# Altium PCB OSA_V100.PcbDoc (part 4 of 5) (continued)
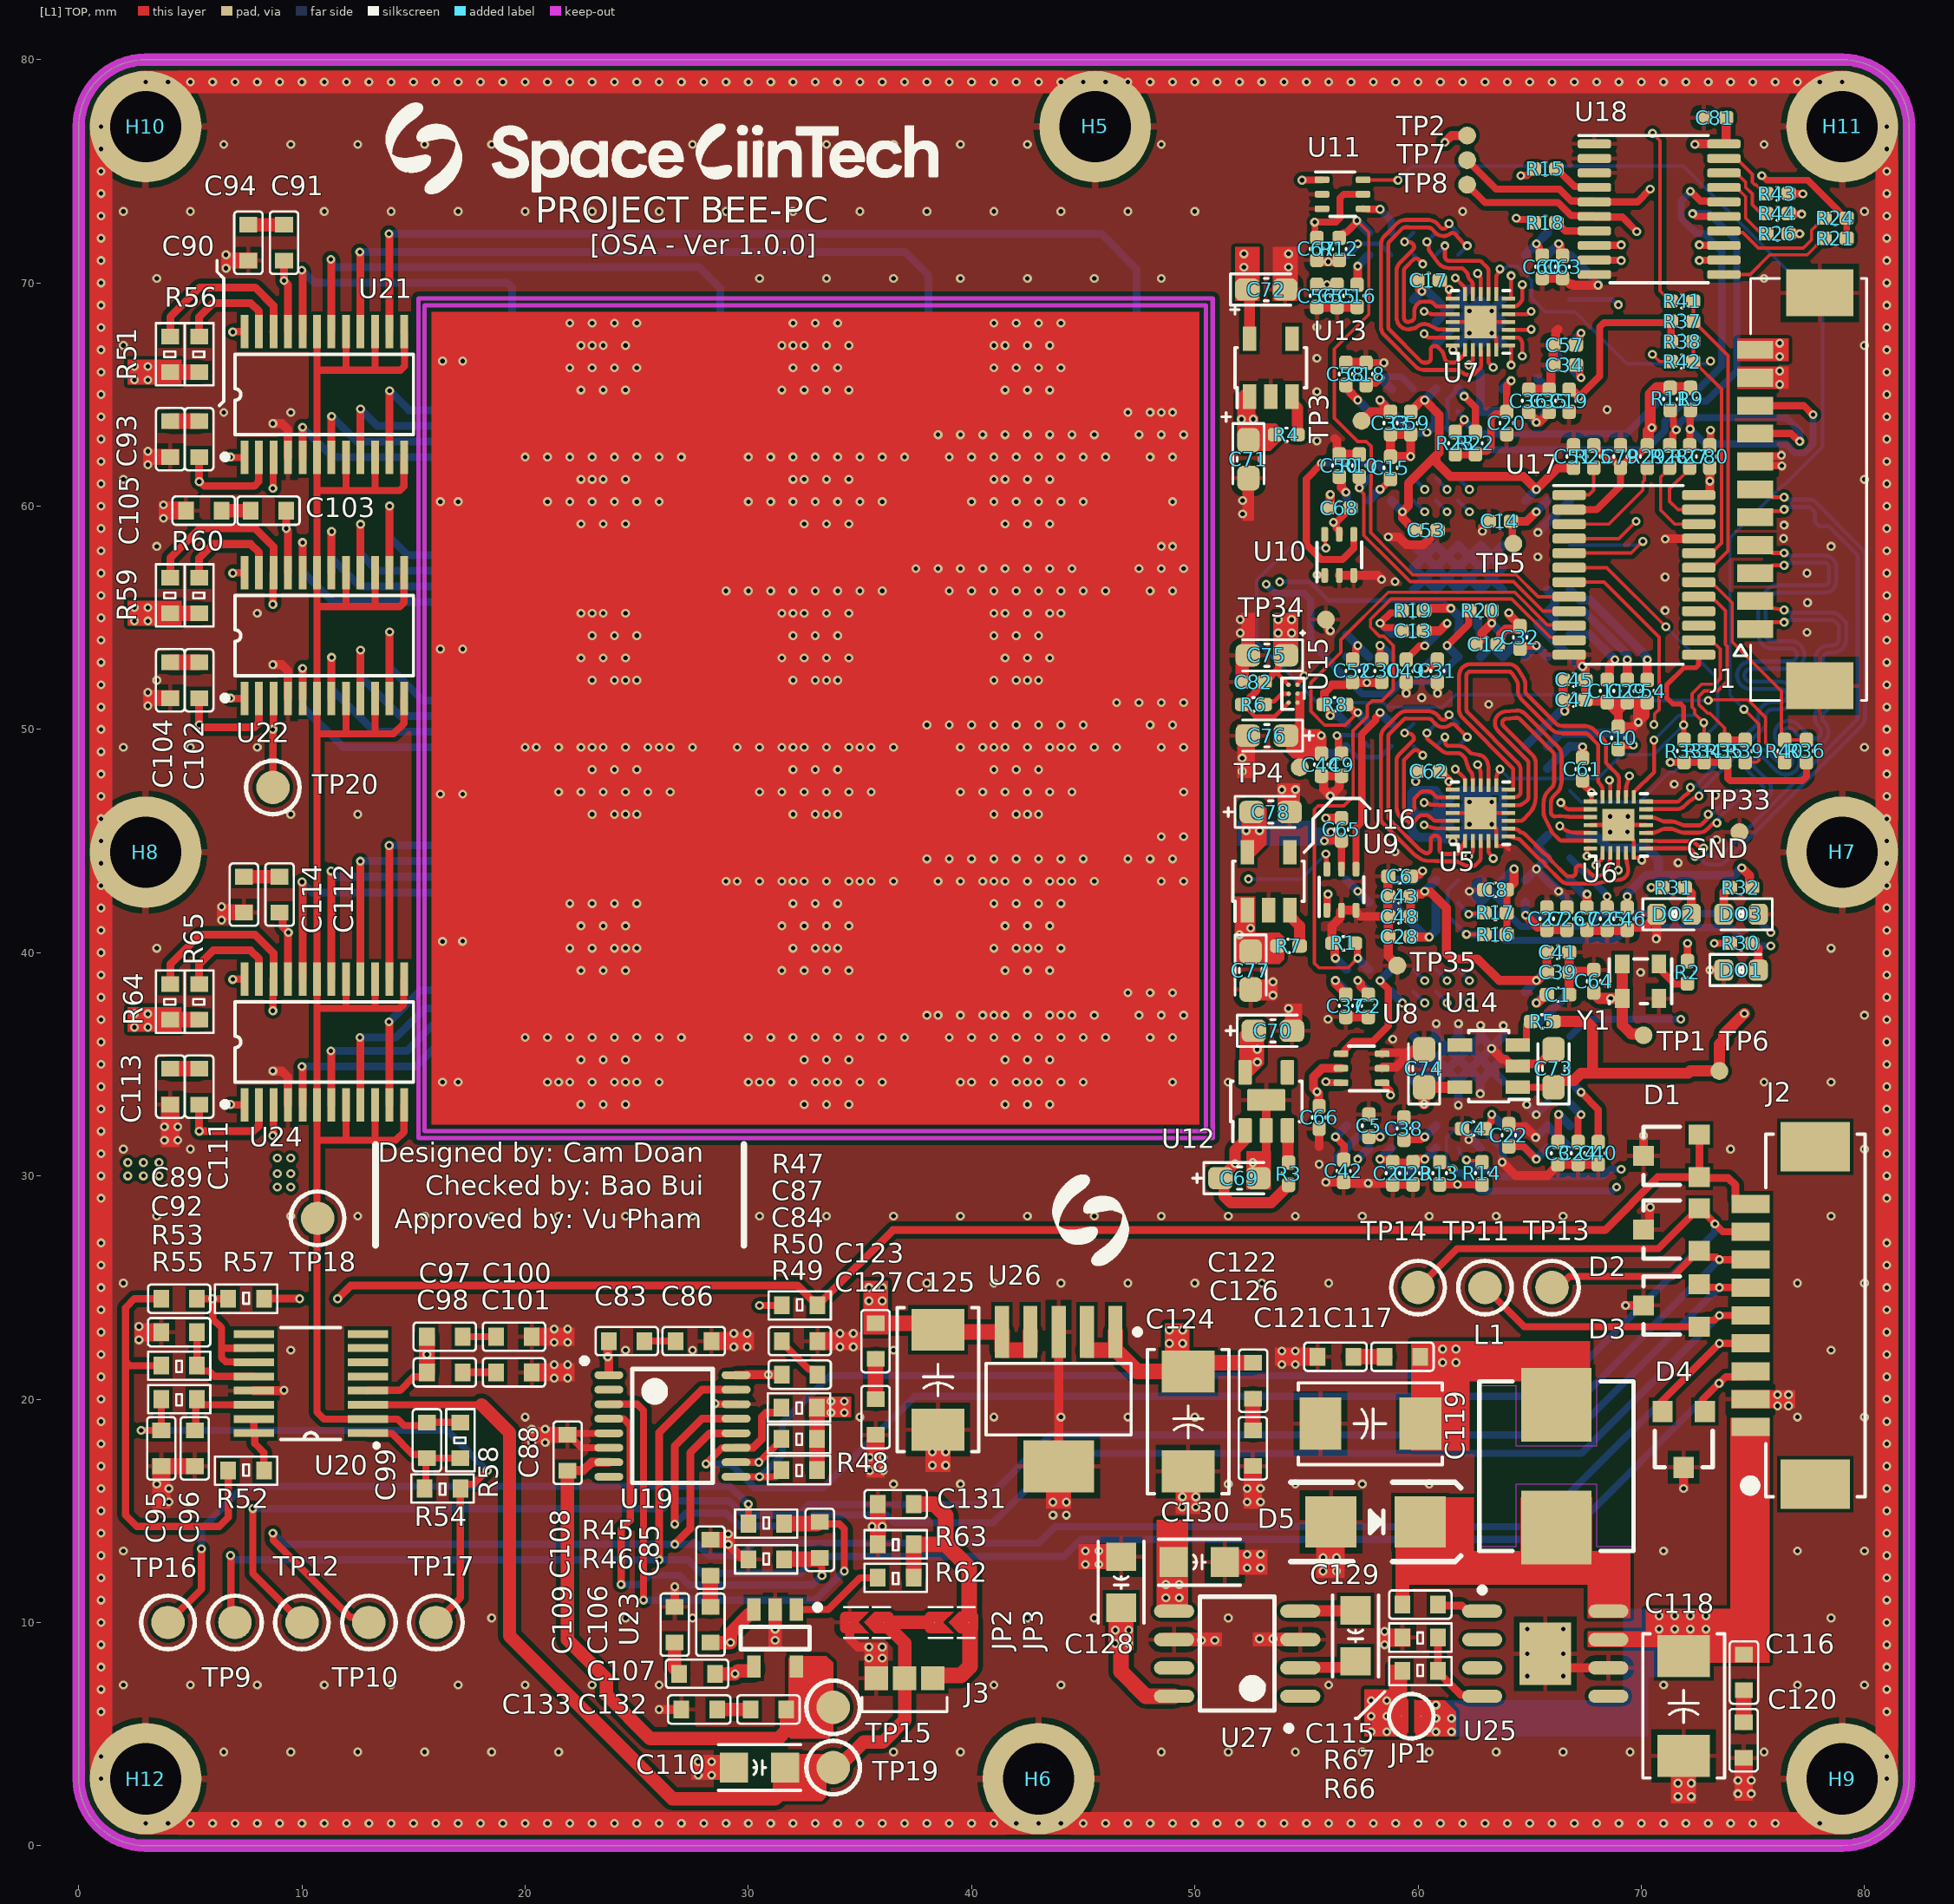
[diagram p0: [L1] TOP view]
## Nets (pads, with @x,y where several pads share a name; then routed paths per layer and width w, separated by ;. In a path a pad name is that pad's centre, name@x,y a point inside that pad or via, vN(x,y) a via of type N, cw(c..) or ccw(c..) an arc to the next point about the centre after c; other vN are vias at no path point) (continued)
SEN2_3_D1_P: U6.16 U7.11 | length 36.1
  [L1] TOP w0.18: U7.11@64.05,68.95 cw(c64.07,68.771) 64.07,68.951 64.327,68.951 ccw(c64.327,69.131) 64.404,68.969 64.458,68.995 ccw(c64.355,69.211) 64.549,69.07 64.635,69.188 ccw(c64.49,69.295) 64.67,69.295 v1(64.67,69.92) ; v1(68.57,47.72) 68.57,47.66 68.62,47.61 U6.16@68.62,46.97
  [L3] SIGNAL w0.16: v1(64.67,69.92) ccw(c64.556,70.032) 64.716,70.032 64.716,70.521 cw(c64.876,70.521) 64.763,70.634 64.802,70.673 cw(c64.915,70.56) 64.915,70.72 65.11,70.72 cw(c65.11,70.56) 65.27,70.56 65.27,70.086 ccw(c65.43,70.086) 65.317,69.973 65.433,69.857 ccw(c65.546,69.971) 65.659,69.857 65.969,70.166 cw(c66.082,70.053) 66.194,70.167 ; 66.195,70.166 68.97,67.391 cw(c68.857,67.278) 69.017,67.278 69.017,61.448 cw(c68.857,61.448) 69.016,61.425 68.991,61.252 cw(c68.833,61.274) 68.947,61.162 67.865,60.08 ccw(c68.232,59.711) 67.712,59.711 67.712,59.088 ccw(c68.232,59.088) 67.723,58.981 67.797,58.629 cw(c67.64,58.596) 67.8,58.596 67.8,58.125 67.8,57.865 ccw(c68.44,57.865) 68.44,57.225 69.644,57.225 cw(c69.644,56.945) 69.644,56.665 68.372,56.665 ccw(c68.372,56.025) 68.372,55.385 69.253,55.385 cw(c69.253,55.105) 69.253,54.825 68.44,54.825 ccw(c68.44,54.185) 67.8,54.185 67.8,52.226 ccw(c68.16,52.226) 67.818,52.114 cw(c67.666,52.063) 67.826,52.063 67.826,49.979 ccw(c68.346,49.979) 67.977,49.613 68.083,49.507 ; 68.084,49.506 68.338,49.252 68.477,49.113 68.477,48.922 68.733,48.665 68.781,48.086 ccw(c69.3,48.129) 68.791,48.019 ccw(c69.143,48.095) 68.792,48.017 cw(c68.636,47.982) 68.738,47.859 v1(68.57,47.72)
SEN2_CK_N: U3.B6 U7.2 | length 22.4
  [L1] TOP w0.18: v1(62.27,66.32) 62.398,66.448 ccw(c62.27,66.575) 62.45,66.575 U7.2@62.45,67 ; v1(62.302,59.748) v1@62.302,59.75
  [L3] SIGNAL w0.16: v1@62.261,59.694 ccw(c62.406,59.626) 62.246,59.626 62.246,59.138 cw(c61.886,59.138) 62.246,59.132 cw(c61.726,59.138) 61.726,58.618 59.83,58.618 ccw(c59.83,58.458) 59.67,58.458 59.67,57.422 ccw(c59.83,57.422) 59.716,57.31 60.1,56.926 ccw(c60.212,57.04) 60.212,56.88 62.994,56.88 ccw(c62.994,57.04) 63.107,56.927 63.423,57.243 ccw(c63.31,57.356) 63.47,57.356 63.47,63.7 63.47,63.78 ccw(c63.19,63.78) 63.19,64.06 62.767,64.06 cw(c62.767,64.34) 62.767,64.62 63.19,64.62 ccw(c63.19,64.9) 63.47,64.9 63.47,65.12 ; v1@62.261,59.695 cw(c62.406,59.627) v1(62.302,59.748) ; v1(62.27,66.32) 62.511,66.32 cw(c62.511,65.955) 62.54,66.319 cw(c62.527,66.159) 62.685,66.183 62.725,65.91 ccw(c62.883,65.933) 62.77,65.82 ; 62.77,65.82 63.47,65.12 ; 62.824,65.771 62.865,65.729 62.865,65.725 63.47,65.12
  [L6] BOTTOM w0.18: U3.B6@61.8,60.25 v1(62.302,59.748)
SEN2_CK_P: U3.A6 U7.4 | length 21.9
  [L1] TOP w0.18: v1(62.302,60.748) v1(62.302,60.748) ; U7.4@63.15,67 63.15,66.515 ccw(c63.33,66.515) 63.202,66.388 v1(63.37,66.22)
  [L3] SIGNAL w0.16: v1@62.212,60.845 62.235,60.819 ccw(c62.372,60.736) 62.212,60.736 62.212,60.363 cw(c62.052,60.363) 62.173,60.258 cw(c62.025,60.318) 62.142,60.21 61.986,60.04 ccw(c62.302,59.748) 61.886,59.639 ccw(c62.406,59.626) 61.886,59.626 61.886,59.138 ccw(c62.066,59.135) 61.886,59.136 cw(c61.726,59.138) 61.726,58.978 59.83,58.978 ccw(c59.83,58.458) 59.31,58.458 59.31,57.422 ccw(c59.83,57.422) 59.461,57.056 59.846,56.671 ccw(c60.212,57.04) 60.212,56.52 62.994,56.52 ccw(c62.994,57.04) 63.363,56.673 63.678,56.988 ccw(c63.138,57.528) 63.901,57.528 63.901,65.105 ccw(c63.741,65.105) 63.865,65.207 63.748,65.349 ccw(c63.47,65.12) 63.741,65.356 63.409,65.741 cw(c63.53,65.846) 63.37,65.846 v1(63.37,66.22)
  [L6] BOTTOM w0.18: U3.A6@61.8,61.25 v1(62.302,60.748)
SEN2_D0_N: U3.B8 U7.20 | length 16.2
  [L1] TOP w0.18: v1(60.27,68.72) 60.561,68.611 ccw(c60.624,68.78) 60.624,68.6 U7.20@61.55,68.6 ; v1(60.302,59.748) v1@60.302,59.75
  [L3] SIGNAL w0.16: 58.018,63.585 57.816,63.382 ccw(c58.201,62.998) 57.739,62.71 58.57,61.386 58.601,61.336 58.617,61.32 ccw(c58.934,61.519) 58.627,61.305 58.713,61.18 ccw(c59.152,61.484) 58.771,61.11 59.645,60.219 ccw(c60.026,60.593) 60.063,60.061 60.068,60.061 cw(c60.079,59.902) 60.079,60.062 ; 58.019,63.586 58.44,64.007 cw(c58.695,63.753) 58.441,64.008 59.354,64.922 cw(c59.609,64.667) 59.355,64.922 59.456,65.023 ; 59.457,65.024 ccw(c58.876,65.604) 59.697,65.59 59.698,65.642 ccw(c59.538,65.646) 59.698,65.645 ccw(c58.896,65.644) 59.462,66.211 59.461,66.213 59.366,66.308 57.888,67.786 cw(c58.256,68.154) 58.255,68.674 59.507,68.674 cw(c59.507,68.154) 59.922,68.468 59.925,68.463 ccw(c60.053,68.56) 59.944,68.442 ccw(c60.053,68.56) 60.052,68.4 ; 60.053,68.4 ccw(c60.053,68.56) 60.205,68.512 v1(60.27,68.72) ; 60.08,60.062 cw(c60.079,59.902) 60.23,59.954 v1(60.302,59.748)
  [L6] BOTTOM w0.18: U3.B8@59.8,60.25 v1(60.302,59.748)
SEN2_D0_P: U3.A8 U7.23 | length 15.1
  [L1] TOP w0.18: v1(60.27,67.72) 60.388,67.602 ccw(c60.515,67.73) 60.515,67.55 U7.23@61.55,67.55 ; v1(60.302,60.748) v1@60.302,60.8
  [L3] SIGNAL w0.16: 58.273,63.331 58.071,63.128 ccw(c58.184,63.015) 58.048,62.93 58.934,61.519 59.021,61.393 ccw(c59.152,61.484) 59.038,61.372 59.912,60.481 ccw(c60.026,60.593) 60.037,60.434 60.043,60.434 cw(c60.079,59.902) 60.078,60.435 ; 58.273,63.331 58.695,63.753 ; 58.695,63.753 59.711,64.769 ; 59.711,64.769 ccw(c58.876,65.604) 60.057,65.585 60.058,65.638 ccw(c59.878,65.643) 60.058,65.642 ccw(c58.896,65.644) 59.717,66.466 59.715,66.467 ; 59.715,66.467 59.621,66.562 ccw(c59.366,66.308) 59.619,66.563 58.142,68.041 cw(c58.256,68.154) 58.255,68.314 59.507,68.314 cw(c59.507,68.154) 59.635,68.251 59.638,68.246 ccw(c60.053,68.56) 59.699,68.178 ccw(c59.944,68.442) 59.701,68.177 ccw(c60.053,68.56) 60.05,68.04 ccw(c60.053,68.4) 60.051,68.04 ; 60.053,68.04 cw(c60.053,67.88) 60.205,67.928 v1(60.27,67.72) ; 60.079,60.435 ccw(c60.079,60.595) 60.23,60.543 v1(60.302,60.748)
  [L6] BOTTOM w0.18: U3.A8@59.8,61.25 v1(60.302,60.748)
SEN2_D1_N: U3.B7 U7.15 | length 13.2
  [L1] TOP w0.18: v1(61.302,59.748) v1@61.302,59.75 ; v1(62.67,70.42) 62.748,70.342 cw(c62.62,70.215) 62.8,70.215 U7.15@62.8,69.5
  [L3] SIGNAL w0.16: v1@61.209,59.845 61.332,59.968 ; 61.333,59.969 ccw(c61.219,60.081) 61.356,59.999 61.671,60.529 ; 61.671,60.529 ccw(c61.302,60.748) 61.728,60.695 61.776,61.078 ccw(c61.26,61.143) 61.741,61.341 61.635,61.598 ccw(c61.154,61.399) 61.533,61.755 cw(c61.65,61.864) 61.525,61.765 61.524,61.766 61.497,61.793 cw(c61.611,61.906) 61.451,61.903 61.449,62.05 61.442,62.778 cw(c61.602,62.78) 61.442,62.78 61.442,66.152 ccw(c60.919,66.152) 61.385,66.389 61.197,66.76 cw(c61.561,66.989) 61.191,67.208 ccw(c61.023,67.278) 61.196,67.222 61.213,67.256 61.376,67.593 ccw(c60.908,67.819) 61.428,67.819 61.428,69.149 cw(c61.588,69.148) 61.536,69.3 ccw(c61.4,69.708) 61.753,69.461 62.224,70.135 cw(c62.355,70.043) 62.242,70.156 62.459,70.373 cw(c62.572,70.26) 62.572,70.42 v1(62.67,70.42)
  [L6] BOTTOM w0.18: U3.B7@60.8,60.25 v1(61.302,59.748)
SEN2_D1_P: U3.A7 U7.17 | length 14.2
  [L1] TOP w0.18: v1(61.302,60.748) v1(61.302,60.748) ; v1(61.67,70.22) 62.048,69.842 cw(c61.92,69.715) 62.1,69.715 U7.17@62.1,69.5
  [L3] SIGNAL w0.16: 61.269,61.51 61.268,61.512 61.021,61.759 60.915,61.864 ccw(c60.802,61.751) 60.802,61.911 60.43,61.911 cw(c60.43,62.071) 60.27,62.07 60.27,62.431 60.27,62.475 cw(c60.43,62.475) 60.429,62.635 60.845,62.636 60.919,62.636 ccw(c60.919,62.796) 61.079,62.796 61.079,66.152 ccw(c60.919,66.152) 61.061,66.224 60.855,66.63 cw(c61.561,66.989) 60.849,67.334 60.85,67.334 60.889,67.413 61.052,67.75 ccw(c60.908,67.819) 61.068,67.819 61.068,69.032 ccw(c60.908,69.032) 61.051,69.104 60.776,69.654 ccw(c60.633,69.583) 60.746,69.696 60.583,69.859 cw(c60.696,69.972) 60.536,69.972 60.536,70.156 cw(c60.696,70.156) 60.583,70.269 60.831,70.517 cw(c60.944,70.404) 60.944,70.564 61.359,70.564 cw(c61.359,70.404) 61.472,70.517 61.624,70.366 cw(c61.51,70.253) 61.67,70.253 v1(61.67,70.22) ; 61.271,61.509 cw(c61.154,61.399) 61.302,61.459 61.408,61.203 ; v1(61.302,60.748) 61.413,61.094 ccw(c61.26,61.143) 61.409,61.203
  [L6] BOTTOM w0.18: U3.A7@60.8,61.25 v1(61.302,60.748)
SEN3_CK_N: U4.B6 U7.1 | length 14.2
  [L1] TOP w0.18: 59.539,72.49 59.428,72.49 ccw(c59.428,72.31) 59.301,72.437 58.723,71.859 ccw(c58.85,71.732) 58.67,71.732 58.67,71.595 58.67,68.159 58.67,68.023 ccw(c58.85,68.023) 58.722,67.896 60.134,66.484 ccw(c60.261,66.612) 60.24,66.433 ccw(c60.262,66.612) 60.261,66.432 60.39,66.432 ccw(c60.389,66.612) 60.517,66.485 ccw(c60.39,66.613) 60.57,66.613 60.57,67.003 cw(c60.75,67.003) 60.75,67.183 60.759,67.183 cw(c60.759,67.003) 60.886,67.131 61.069,66.948 cw(c60.941,66.821) 61.111,66.88 61.217,66.577 ccw(c61.387,66.636) 61.259,66.51 61.26,66.509 61.337,66.432 61.628,66.432 ccw(c61.628,66.612) 61.755,66.484 62.048,66.777 ccw(c61.92,66.904) 62.1,66.904 U7.1@62.1,67 ; 59.54,72.49 cw(c59.538,72.31) 59.562,72.488 59.571,72.487 60.5,72.472 cw(c60.497,72.292) 60.633,72.41 ; 60.633,72.409 60.745,72.277 ccw(c61.134,72.608) 61.439,72.198 ; 61.44,72.199 ccw(c61.134,72.608) 61.441,72.2 cw(c61.549,72.056) 61.685,72.174 61.998,71.812 ccw(c62.134,71.93) 62.06,71.766 62.12,71.74 cw(c62.047,71.575) v1(62.205,71.66) ; v1(62.205,71.66) ccw(c62.029,71.624) 62.156,71.751 v1(62.205,71.66)
  [L6] BOTTOM w0.18: U4.B6@61.8,71.252 62.205,71.657 v1(62.205,71.66)
SEN3_CK_P: U4.A6 U7.3 | length 14.4
  [L1] TOP w0.18: 60.495,72.82 59.571,72.82 59.539,72.82 59.428,72.82 ccw(c59.428,72.31) 59.067,72.671 58.488,72.091 ccw(c58.85,71.732) 58.34,71.732 58.34,71.597 ccw(c58.67,71.595) 58.34,71.595 58.34,68.159 ccw(c58.67,68.159) 58.34,68.158 58.34,68.023 ccw(c58.85,68.023) 58.488,67.663 59.901,66.25 ccw(c60.261,66.612) 60.261,66.102 60.39,66.102 61.737,66.102 cw(c61.737,65.922) 61.832,66.075 62.037,65.947 ccw(c62.27,66.32) 62.185,65.888 62.211,65.883 ccw(c62.245,66.06) 62.245,65.88 62.411,65.88 ccw(c62.411,66.06) 62.538,65.932 62.766,66.161 ccw(c62.638,66.288) 62.818,66.288 62.818,66.922 ccw(c62.638,66.921) U7.3@62.8,67 ; 60.495,72.82 cw(c60.495,72.64) 60.551,72.811 60.657,72.776 cw(c60.497,72.292) 60.884,72.624 60.997,72.491 ccw(c61.134,72.608) 61.242,72.464 ccw(c61.134,72.608) 61.281,72.503 v1(61.39,72.655)
  [L6] BOTTOM w0.18: v1(61.39,72.655) 61.393,72.655 U4.A6@61.8,72.25
SEN3_D0_N: U4.B8 U7.19 | length 6.8
  [L1] TOP w0.18: v1@60.213,70.862 60.04,71.036 ccw(c59.913,70.908) 59.786,71.036 59.519,70.769 59.423,70.673 ccw(c59.55,70.545) 59.37,70.545 59.37,68.431 ccw(c59.55,68.431) 59.606,68.26 59.706,68.293 ccw(c59.65,68.464) 59.83,68.464 59.83,68.72 cw(c60.27,68.72) 59.958,69.031 60.024,69.096 cw(c60.151,68.968) 60.131,69.147 60.222,69.157 cw(c60.27,68.72) 60.289,69.16 60.552,69.148 cw(c60.544,68.968) 60.671,69.096 60.768,68.999 60.817,68.95 U7.19@61.55,68.95
  [L6] BOTTOM w0.18: U4.B8@59.805,71.25 v1(60.21,70.845)
SEN3_D0_P: U4.A8 U7.22 | length 7.5
  [L1] TOP w0.18: 59.285,71.002 59.189,70.906 ccw(c59.55,70.545) 59.04,70.545 59.04,68.431 ccw(c59.55,68.431) 59.709,67.947 ccw(c59.602,68.884) 59.747,67.952 ccw(c59.602,68.884) 59.882,67.983 ccw(c59.828,68.155) 59.956,68.028 cw(c60.27,67.72) 60.359,68.151 60.435,68.135 cw(c60.399,67.959) 60.482,68.118 60.819,67.942 ccw(c60.902,68.101) 60.902,67.921 61.261,67.921 61.281,67.901 61.549,67.901 U7.22@61.55,67.9 ; 59.286,71.003 59.772,71.488 ccw(c59.644,71.615) 59.772,71.742 59.751,71.763 ccw(c59.624,71.635) 59.642,71.814 v1(59.395,71.84)
  [L6] BOTTOM w0.18: v1(59.395,71.84) 59.395,71.843 U4.A8@59.8,72.248
SEN3_D1_N: U4.B7 U7.14 | length 4.4
  [L1] TOP w0.18: v1(61.205,71.66) 61.205,71.17 ccw(c61.385,71.17) 61.385,70.99 61.715,70.99 62.725,70.99 cw(c62.725,70.81) 62.852,70.938 63.098,70.692 cw(c62.97,70.565) 63.15,70.565 U7.14@63.15,69.5
  [L6] BOTTOM w0.18: U4.B7@60.8,71.252 61.205,71.657 v1(61.205,71.66)
SEN3_D1_P: U4.A7 U7.16 | length 4.2
  [L1] TOP w0.18: v1(60.395,71.84) 60.425,71.81 cw(c60.297,71.683) 60.477,71.683 60.477,71.55 ccw(c60.657,71.55) 60.51,71.446 60.883,70.92 ccw(c61.385,71.276) 61.385,70.66 61.714,70.66 ccw(c61.715,70.99) 61.715,70.66 61.916,70.66 cw(c61.916,70.48) 62.043,70.608 62.182,70.469 cw(c62.055,70.341) 62.234,70.364 ccw(c62.67,70.42) 62.357,70.111 62.397,70.069 cw(c62.269,69.943) 62.449,69.943 62.449,69.519 ccw(c62.629,69.52) U7.16@62.45,69.5
  [L6] BOTTOM w0.18: v1(60.395,71.84) 60.395,71.843 U4.A7@60.8,72.248
SEN_0_CLK: U1.A9 U8.4 | length 5.6
  [L1] TOP w0.32: U8.4@56.55,35.47 56.71,35.47 56.72,35.48 56.72,35.64 57.1,36.02 57.97,36.02 58.67,36.72 58.67,38.355 58.298,38.727 v1(58.298,38.748)
  [L6] BOTTOM w0.4: v1(58.298,38.748) U1.A9@58.8,39.25
SEN_0_CLK_nENA: R42.1 U8.6 | length 66.7
  [L1] TOP w0.15: v1(70.5,66.8) 70.82,66.48 R42.1@71.33,66.48
  [L1] TOP w0.32: v1(55.87,34.22) 55.892,34.22 55.932,34.18 56.54,34.18 U8.6@56.55,34.17
  [L3] SIGNAL w0.15: v1(55.87,34.22) 55.08,34.22 52.925,36.375 52.925,41.503 53.3,41.878 53.3,45.261 53.325,45.286 53.325,50.293 53.312,50.306 53.312,55.212 54.3,56.2 54.3,60.258 54.732,60.69 54.732,68.394 55.202,68.864 55.202,71.671 54.375,72.497 54.375,74.776 54.624,75.025 55,75.025 55.29,75.315 55.749,75.315 56.349,75.915 57.184,75.915 58.924,74.175 63.479,74.175 64.329,73.325 64.618,73.325 64.991,72.951 64.991,72.663 65.727,71.928 65.727,71.726 67.642,69.81 67.642,69.724 67.921,69.445 69.146,69.445 70.5,68.091 v1(70.5,66.8)
SEN_0_CLK_nENA_L: R38.2 R42.2 U17.20 | length 10.8
  [L1] TOP w0.15: R42.2@72.33,66.48 R38.2@72.33,67.38 ; R42.2@72.355,66.48 73.595,65.24 73.595,58.343 73.274,58.022 72.697,58.022 U17.20@72.57,57.895
SEN_0_GPIO0: U1.D1 U17.7 | length 30.1
  [L1] TOP w0.15: U17.7@66.77,56.595 68.33,56.595 70.795,54.13 70.795,50.89 70.595,50.69 70.595,50.245 v1(70.57,50.22)
  [L3] SIGNAL w0.15: v1(70.57,50.22) 70.07,49.72 69.469,49.72 69.22,49.471 69.22,49.119 70.145,48.194 70.145,48.155 70.9,47.4 70.9,43.866 72.526,42.24 72.526,37.776 v1(71.77,37.02)
  [L6] BOTTOM w0.32: U1.D1@66.8,36.25 67.57,37.02 v1(71.77,37.02)
SEN_0_nOFF: R1.1 U1.A10 U17.11 | length 32
  [L1] TOP w0.15: v1(57.298,39.752) 56.867,39.32 55.57,39.32 55.36,39.53 55.36,46.41 55.52,46.57 56.676,46.57 57.095,46.989 57.095,49.25 57.085,49.26 57.085,49.937 57.723,50.576 57.723,51.073 57.934,51.284 58.389,51.284 58.895,51.79 58.895,53.756 58.474,54.177 58.351,54.177 58.272,54.177 57.873,54.576 57.873,54.928 58.791,55.845 64.2,55.845 65.923,54.122 66.643,54.122 U17.11@66.77,53.995
  [L1] TOP w0.32: R1.1@57.195,40.42 57.283,40.332 57.283,39.767 v1(57.298,39.752)
  [L6] BOTTOM w0.4: v1(57.298,39.752) U1.A10@57.8,39.25
SEN_0_SCL: R14.2 TP8.0 U1.J6 U18.6 | length 65.5
  [L1] TOP w0.15: v1(62.17,30.72) 62.207,30.683 62.832,30.683 R14.2@62.87,30.645
  [L1] TOP w0.32: TP8.0@62.2,74.4 63,73.6 66.276,73.6 66.861,73.015 67.86,73.015 U18.6@67.9,72.975 67.927,72.948 69.152,72.948 v1(69.8,72.3)
  [L3] SIGNAL w0.32: v1(69.1,30.3) 70.09,31.29 70.311,31.29 70.61,31.589 70.61,31.81 76.78,37.98 76.78,42.506 76.18,43.106 76.18,43.131 75.63,43.681 75.63,66.47 v1(69.8,72.3)
  [L6] BOTTOM w0.15: U1.J6@61.8,31.25 61.857,31.193 61.857,31.033 v1(62.17,30.72)
  [L6] BOTTOM w0.32: v1(62.17,30.72) 62.652,30.238 63.43,30.238 63.694,29.975 68.275,29.975 68.6,30.3 v1(69.1,30.3)
SEN_0_SDA: R13.2 TP7.0 U1.H6 U18.5 | length 74.5
  [L1] TOP w0.15: R13.2@60.97,30.645 61.174,30.441 61.249,30.441 61.337,30.353 61.519,30.353 v1(61.567,30.305)
  [L1] TOP w0.32: TP7.0@62.2,75.5 63.5,74.2 66.34,74.2 66.875,73.665 67.86,73.665 U18.5@67.9,73.625 69.825,73.625 v1(70.4,74.2)
  [L3] SIGNAL w0.32: v1(68.9,29.5) 68.922,29.5 69.212,29.79 69.311,29.79 70.341,30.82 70.506,30.82 71.08,31.394 71.08,31.559 77.25,37.729 77.25,42.7 76.65,43.3 76.65,43.326 76.49,43.486 76.49,53.49 76.91,53.91 76.91,62.369 76.59,62.689 76.59,64.69 77,65.1 77,67.5 76.49,68.01 76.49,72.01 73.89,74.61 71.989,74.61 71.579,74.2 v1(70.4,74.2)
  [L6] BOTTOM w0.15: v1(61.567,30.305) 61.27,30.603 61.27,31.72 U1.H6@61.8,32.25
  [L6] BOTTOM w0.32: v1(61.567,30.305) 61.589,30.305 61.764,30.13 61.981,30.13 62.786,29.325 68.703,29.325 68.878,29.5 v1(68.9,29.5)
SEN_1_CLK: U2.A9 U9.4 | length 8.2
  [L1] TOP w0.32: U9.4@57.22,43.74 57.22,45.59 57.48,45.85 57.48,49.41 57.47,49.42 57.47,49.778 58.108,50.416 58.108,50.54 58.283,50.715 v1@58.283,50.736
  [L6] BOTTOM w0.4: v1(58.298,50.752) U2.A9@58.8,50.25
SEN_1_CLK_nENA: R41.1 U9.6 | length 65.2
  [L1] TOP w0.15: v1(70.504,76.7) 70.839,76.365 70.839,69.646 71.305,69.18 R41.1@71.33,69.18
  [L1] TOP w0.22: v1(55.87,44.42) 55.895,44.395 55.895,43.765 U9.6@55.92,43.74
  [L3] SIGNAL w0.15: v1(52.4,43.3) 52.036,43.3 51.2,44.136 51.2,71.6 52.3,72.7 52.3,75.3 54.6,77.6 69.604,77.6 v1(70.504,76.7)
  [L6] BOTTOM w0.15: v1(52.4,43.3) 54.75,43.3 v1(55.87,44.42)
SEN_1_CLK_nENA_L: R37.2 R41.2 U17.19 | length 13.5
  [L1] TOP w0.15: R37.2@72.33,68.28 R41.2@72.33,69.18 ; R37.2@72.355,68.28 73.895,66.74 73.895,57.993 73.274,57.372 72.697,57.372 U17.19@72.57,57.245
SEN_1_GPIO0: U2.D1 U17.6 | length 19.1
  [L1] TOP w0.15: U17.6@66.77,57.245 68.455,57.245 v1(71.1,54.6)
  [L6] BOTTOM w0.15: U2.D1@66.8,47.25 67.305,46.745 69.92,46.745 71.275,48.1 71.476,48.1 71.725,48.349 71.725,48.55 73.425,50.25 73.425,52.275 v1(71.1,54.6)
SEN_1_nOFF: R8.1 U2.A10 U17.10 | length 19.4
  [L1] TOP w0.15: v1(57.298,50.752) 56.742,50.195 55.815,50.195 55.195,50.815 55.195,51.425 55.195,52.094 56.545,53.444 56.545,54.024 58.666,56.145 64.325,56.145 65.795,54.675 66.74,54.675 U17.10@66.77,54.645
  [L1] TOP w0.32: R8.1@56.795,51.12 56.82,51.12 57.173,50.767 57.283,50.767 v1(57.298,50.752)
  [L6] BOTTOM w0.4: v1(57.298,50.752) U2.A10@57.8,50.25
SEN_1_SCL: R17.2 U2.J6 U18.9 | length 50
  [L1] TOP w0.18: v1(62.27,41.72) 62.3,41.75 62.915,41.75 R17.2@62.945,41.78
  [L1] TOP w0.32: U18.9@67.9,71.025 67.913,71.012 69.087,71.012 v1(69.1,71)
  [L3] SIGNAL w0.32: v1(69.1,71) 71.492,68.608 71.713,68.608 73.899,66.422 73.899,42.801 v1(75.8,40.9)
  [L6] BOTTOM w0.18: U2.J6@61.8,42.25 61.8,42.22 62.27,41.75 v1(62.27,41.72)
  [L6] BOTTOM w0.32: v1(62.27,41.72) 62.275,41.715 64.06,41.715 64.602,41.173 67.573,41.173 68.15,41.75 74.95,41.75 v1(75.8,40.9)
SEN_1_SDA: R16.2 U2.H6 U18.8 | length 54.1
  [L1] TOP w0.18: v1(62.17,40.82) R16.2@62.945,40.82
  [L1] TOP w0.32: U18.8@67.9,71.675 67.912,71.687 69.087,71.687 v1(69.1,71.7)
  [L3] SIGNAL w0.32: v1(69.1,71.7) 69.121,71.7 71.743,69.078 71.908,69.078 75.16,65.826 75.16,42.709 76.31,41.559 76.31,40.689 75.937,40.315 75.815,40.315 v1(75.8,40.3)
  [L6] BOTTOM w0.18: U2.H6@61.8,43.25 61.335,42.785 61.335,41.655 v1(62.17,40.82)
  [L6] BOTTOM w0.32: v1(62.17,40.82) 63.605,40.82 63.875,40.55 68.825,40.55 69.405,41.13 73.995,41.13 74.825,40.3 v1(75.8,40.3)
SEN_2_CLK: U3.A9 U10.4 | length 10.6
  [L1] TOP w0.32: v1(55.67,61.92) 55.67,61.898 55,61.228 55,58.269 55.659,57.61 56.623,57.61 57.12,58.107 U10.4@57.12,58.74
  [L6] BOTTOM w0.32: v1(55.67,61.92) 58.13,61.92 U3.A9@58.8,61.25
SEN_2_CLK_nENA: R40.1 U10.6 | length 34.1
  [L1] TOP w0.15: U10.6@55.82,58.74 55.845,58.715 55.845,58.145 v1(55.87,58.12) ; v1(73,51.3) 73.028,51.328 74.776,51.328 75.567,50.537 75.567,49.408 76.42,48.555 R40.1@76.42,48.53
  [L6] BOTTOM w0.15: v1(55.87,58.12) 54.219,58.12 52.775,56.676 52.775,53.924 55.499,51.2 58.451,51.2 58.653,50.998 61.131,50.998 61.681,51.548 67.183,51.548 67.431,51.3 v1(73,51.3)
SEN_2_CLK_nENA_L: R36.2 R40.2 U17.18 | length 10
  [L1] TOP w0.15: U17.18@72.57,56.595 73.115,56.595 73.315,56.395 73.347,56.395 74.075,55.667 74.075,53.916 76.275,51.716 76.275,49.675 R40.2@76.42,49.53 R36.2@77.4,49.53
SEN_2_GPIO0: U3.D1 U17.5 | length 6.9
  [L1] TOP w0.15: U17.5@66.77,57.895 69.545,57.895 v1(70.07,58.42)
  [L6] BOTTOM w0.15: U3.D1@66.8,58.25 69.832,58.25 70.002,58.42 v1(70.07,58.42)
SEN_2_nOFF: R10.1 U3.A10 U17.9 | length 13.9
  [L1] TOP w0.15: v1(57.37,60.82) 57.37,60.752 57.577,60.546 57.577,59.934 57.577,58.689 57.945,58.321 ; 57.945,58.32 58.37,57.895 ; 58.371,57.895 59.646,56.62 60.89,56.62 64.274,56.62 65.599,55.295 U17.9@66.77,55.295
  [L1] TOP w0.32: v1(57.37,60.82) R10.1@57.37,61.295
  [L6] BOTTOM w0.32: v1(57.37,60.82) U3.A10@57.8,61.25
SEN_2_SCL: R20.2 U3.J6 U18.13 | length 57.4
  [L1] TOP w0.32: v1(61.298,53.752) 62.27,54.723 R20.2@62.27,55.32 ; v1(72.6,71.7) 72.612,71.687 73.688,71.687 U18.13@73.7,71.675
  [L3] SIGNAL w0.32: v1@53.23,56.523 53.214,56.523 53.2,56.537 53.2,59.386 53.253,59.439 53.253,67.072 53.197,67.128 53.197,75.197 55.1,77.1 66.386,77.1 71.786,71.7 v1(72.6,71.7)
  [L6] BOTTOM w0.32: v1(53.2,56.5) 53.2,56.489 53.589,56.1 54.9,56.1 55.187,55.813 55.187,53.894 57.496,51.585 58.714,51.585 59.259,52.13 60.68,52.13 U3.J6@61.8,53.25
  [L6] BOTTOM w0.4: v1(61.298,53.752) U3.J6@61.8,53.25
SEN_2_SDA: R19.2 U3.H6 U18.12 | length 52.3
  [L1] TOP w0.32: v1(72.6,71) 72.612,71.012 73.688,71.012 U18.12@73.7,71.025
  [L1] TOP w0.4: R19.2@60.295,55.32 60.395,55.42 v1(61.47,55.42)
  [L3] SIGNAL w0.32: v1@53.763,56.61 53.8,56.647 53.8,68.007 54.817,69.023 54.817,71.511 53.99,72.338 53.99,74.936 55.354,76.3 60.479,76.3 60.989,75.79 67.031,75.79 71.821,71 v1(72.6,71)
  [L6] BOTTOM w0.2: v1(53.8,56.61) 55.144,56.61 55.979,55.775 61.115,55.775 v1(61.47,55.42)
  [L6] BOTTOM w0.4: v1(61.47,55.42) 61.847,55.043 61.847,54.522 61.81,54.485 61.81,54.26 U3.H6@61.8,54.25
SEN_3_CLK: U4.A9 U11.4 | length 2
  [L1] TOP w0.32: U11.4@57.54,73.32 57.55,73.31 57.73,73.31 57.74,73.3 v1(58.3,73.3)
  [L6] BOTTOM w0.32: v1@58.315,73.285 58.8,72.8 U4.A9@58.8,72.25
SEN_3_CLK_nENA: R39.1 U11.6 | length 46.7
  [L1] TOP w0.15: U11.6@57.54,74.62 57.55,74.61 59.09,74.61 v1(59.1,74.6) ; v1(74.6,50.903) 75.267,50.236 75.267,48.618 75.179,48.53 R39.1@74.654,48.53
  [L6] BOTTOM w0.15: v1(59.1,74.6) 59.725,75.225 71.884,75.225 78.125,68.984 78.125,62.659 76.42,60.954 76.353,60.954 73.975,58.576 73.975,51.528 v1(74.6,50.903)
SEN_3_CLK_nENA_L: R35.2 R39.2 U17.17 | length 9.6
  [L1] TOP w0.15: U17.17@72.57,55.945 73.115,55.945 73.315,55.745 73.347,55.745 73.775,55.317 73.775,53.792 73.845,53.722 73.845,52.145 73.425,51.725 72.824,51.725 72.575,51.476 72.575,51.124 72.974,50.725 73.075,50.725 73.738,50.062 R35.2@73.738,49.53
  [L1] TOP w0.32: R35.2@73.738,49.53 R39.2@74.654,49.53
SEN_3_GPIO0: U4.D1 U17.4 | length 15.6
  [L1] TOP w0.15: U17.4@66.77,58.545 68.995,58.545 v1(69.77,59.32)
  [L3] SIGNAL w0.22: v1(68.97,69.02) 69.77,68.22 v1(69.77,59.32)
  [L6] BOTTOM w0.22: U4.D1@66.8,69.25 68.691,69.25 68.921,69.02 v1(68.97,69.02)
SEN_3_nOFF: R12.1 U4.A10 U17.8 | length 27.8
  [L1] TOP w0.15: v1(57.258,72.793) 57.795,72.256 57.795,68.59 56.245,67.04 56.245,63.945 57.295,62.895 57.675,62.895 57.895,62.675 57.895,60.965 57.877,60.946 57.877,58.813 58.245,58.445 ; 58.245,58.444 58.494,58.195 ; 58.495,58.195 59.77,56.92 64.398,56.92 65.373,55.945 U17.8@66.77,55.945
  [L1] TOP w0.32: R12.1@56.485,72.02 56.485,72.06 56.685,72.26 56.791,72.26 57.243,72.712 57.243,72.778 v1(57.258,72.793)
  [L6] BOTTOM w0.4: v1(57.258,72.793) U4.A10@57.8,72.25
SEN_3_SCL: R23.2 U4.J6 U18.16 | length 24.9
  [L1] TOP w0.22: R23.2@61.67,63.345 61.67,63.392 62.032,63.754 62.032,63.839 v1(62.066,63.874)
  [L1] TOP w0.32: v1(72.2,74.1) 72.222,74.1 72.657,73.665 73.66,73.665 U18.16@73.7,73.625
  [L6] BOTTOM w0.22: U4.J6@61.8,64.25 61.8,64.189 62.066,63.922 v1(62.066,63.874)
  [L6] BOTTOM w0.32: v1(62.066,63.874) 62.702,63.238 69.338,63.238 71.27,65.17 72.491,65.17 73.61,66.289 73.61,71.411 72.811,72.21 72.469,72.21 71.79,72.889 71.79,73.668 72.2,74.078 v1(72.2,74.1)
SEN_3_SDA: R22.2 U4.H6 U18.15 | length 29
  [L1] TOP w0.32: v1(62.07,64.92) 62.576,64.414 62.576,63.351 R22.2@62.57,63.345 ; v1(72.3,73.1) 72.322,73.1 72.447,72.975 U18.15@73.7,72.975
  [L6] BOTTOM w0.2: 61.325,63.514 61.325,64.775 U4.H6@61.8,65.25
  [L6] BOTTOM w0.32: 61.325,63.514 62.314,62.525 70.196,62.525 71.06,63.389 71.06,63.81 71.95,64.7 72.925,64.7 74.275,66.05 74.275,71.875 73.05,73.1 v1(72.3,73.1)
  [L6] BOTTOM w0.4: U4.H6@61.8,65.25 61.8,65.236 62.07,64.966 v1(62.07,64.92)
SEN_SEL_0: R33.2 U5.13 U7.13 U17.13 | length 45.5
  [L1] TOP w0.18: U5.13@63.5,47.5 63.5,47.773 cw(c64.08,47.773) 63.58,48.066 v1(63.67,48.22) ; U7.13@63.5,69.5 63.5,70.249 cw(c63.68,70.249) 63.52,70.332 v1(63.67,70.62)
  [L1] TOP w0.22: R33.2@71.92,49.53 71.91,49.54 71.91,50.19 v1(71.9,50.2) 71.9,51.011 71.771,51.14 71.409,51.14 71.14,51.409 71.14,51.991 71.909,52.76 72.441,52.76 72.57,52.889 U17.13@72.57,53.345
  [L3] SIGNAL w0.15: v1@71.9,50.269 71.9,54.7 72.9,55.7 72.9,59.3 72.562,59.638 72.562,63.226 72.612,63.276 72.612,63.812 73.3,64.5 73.3,66.232 73.1,66.432 v1(73.1,66.5)
  [L6] BOTTOM w0.15: v1(63.67,48.22) 64.09,47.8 68.049,47.8 69.119,48.87 70.57,48.87 v1(71.9,50.2) ; v1(63.67,70.62) 63.718,70.668 63.917,70.668 63.994,70.745 64.446,70.745 65.095,70.096 65.095,69.319 65.714,68.7 67.032,68.7 69.357,66.375 72.907,66.375 73.032,66.5 v1(73.1,66.5)
SEN_SEL_1: R34.2 U6.13 U17.14 | length 11.9
  [L1] TOP w0.15: U17.14@72.57,53.995 73.115,53.995 73.315,53.795 73.347,53.795 73.545,53.597 73.545,52.27 73.3,52.025 72.7,52.025 72.275,51.6 72.275,51 72.395,50.88 72.395,50.705 72.779,50.321 72.82,50.321 R34.2@72.82,49.53
  [L1] TOP w0.18: U6.13@69.671,47.185 70.57,48.084 v1(70.57,49.52)
  [L6] BOTTOM w0.15: v1(70.57,49.52) 71.675,50.625 72.475,50.625 v1(72.8,50.3)
SW_CS: D3.3 J2.6 TP12.1 U21.24 U22.24 U24.24 | length 134.1
  [L1] TOP w0.32: v1@6.9,38.819 U24.24@7.425,38.819 ; v1@6.9,57.019 U22.24@7.425,57.019 ; v1(6.9,67.8) 6.9,67.819 U21.24@7.425,67.819 ; v1(7.8,15.1) 7.8,12.2 TP12.1@10,10 ; D3.3@72.6,25.15 72.735,25.015 73.485,25.015 v1(73.5,25) J2.6@74.895,25
  [L3] SIGNAL w0.32: v1(6.9,67.8) 6.9,67.778 7.31,67.368 7.31,61.989 6.9,61.579 6.9,56.998 7.38,56.518 7.38,39.282 v1(6.9,38.8) v1(6.9,38.8) 7.6,38.1 7.6,15.322 7.8,15.122 v1(7.8,15.1)
  [L6] BOTTOM w0.32: v1(7.8,15.1) 26.2,15.1 26.55,15.45 29.129,15.45 29.789,14.79 32.235,14.79 32.725,15.28 40.43,15.28 43.55,18.4 66.9,18.4 73.485,24.985 v1@73.485,25.006
  other v1: 6.9,57
VREF_ADC: C88.2 C132.2 TP15.1 U19.7 U23.5 | length 24.9
  [L1] TOP w0.4: C88.2@21.9,16.8 22.6,16.8 22.975,17.175 U19.7@23.75,17.175
  [L1] TOP w0.6: C88.2@21.9,16.8 21.9,9.219 23.65,7.469 23.65,6.75 25.6,4.8 31.349,4.8 31.7,5.151 C132.2@31.7,6.1 31.7,6.15 31.75,6.2 TP15.1@33.8,6.2
VREF_PD: C110.1 J3.2 JP2.1 JP3.2 TP19.1 U20.3 | length 45.7
  [L1] TOP w0.32: U20.3@12.953,19.747 18.053,19.747
  [L1] TOP w0.6: 18.053,19.747 19.3,18.5 19.3,9.4 26.6,2.1 31.2,2.1 31.6,2.5 31.643,2.543 C110.1@31.643,3.5 TP19.1@33.8,3.5 34.016,3.5 35.16,4.643 36.023,4.643 37,5.62 37,9.075 JP2.1@36.075,10 JP3.2@38.338,10
pads on no net: J2.10 J2.11 PD1.3 PD2.3 PD3.3 PD4.3 PD5.3 PD6.3 PD7.3 PD8.3 PD9.3 PD10.3 PD11.3 PD12.3 PD13.3 PD14.3 PD15.3 PD16.3 PD17.3 PD18.3 PD19.3 PD20.3 PD21.3 PD22.3 PD23.3 PD24.3 U1.A3 U1.A4 U1.A5 U1.B4 U1.B5 U1.C1 U1.C10 U1.C11 U1.D2 U1.D10 U1.D11 U1.E1 U1.E2 U1.E10 U1.E11 U1.F10 U1.F11 U1.G10 U1.G11 U1.H10 U1.J8 U2.A3 U2.A4 U2.A5 U2.B4 U2.B5 U2.C1 U2.C10 U2.C11 U2.D2 U2.D10 U2.D11 U2.E1 U2.E2 U2.E10 U2.E11 U2.F10 U2.F11 U2.G10 U2.G11 U2.H10 U2.J8 U3.A3 U3.A4 U3.A5 U3.B4 U3.B5 U3.C1 U3.C10 U3.C11 U3.D2 U3.D10 U3.D11 U3.E1 U3.E2 U3.E10 U3.E11 U3.F10 U3.F11 U3.G10 U3.G11 U3.H10 U3.J8 U4.A3 U4.A4 U4.A5 U4.B4 U4.B5 U4.C1 U4.C10 U4.C11 U4.D2 U4.D10 U4.D11 U4.E1 U4.E2 U4.E10 U4.E11 U4.F10 U4.F11 U4.G10 U4.G11 U4.H10 U4.J8 U12.4 U13.4 U14.4 U16.4 U17.15 U17.16 U19.2 U19.8 U20.5 U20.6 U20.7 U20.8 U20.9 U25.2 U25.3 U25.5 U27.1 U27.7

## Polygon pours and split planes (outlines as drawn)
+5 on [L4] POWER "+5_L04_P019" (solid, pour order 19): 42.7,30.8 43.3,31.4 50.4,31.4 50.7,31.1 50.7,25.5 50.9,25.3 69.6,25.3 69.9,25 69.9,7.5 69.5,7.1 60.3,7.1 60,6.8 60,5.2 59.6,4.8 48.368,4.8 48.368,7.832 47.8,8.4 42.9,8.4 42.7,8.6 42.7,10.3 42.9,10.5 50.1,10.5 50.3,10.7 50.3,12.1 50,12.4 42.9,12.4 42.7,12.6